# KiCad board demo_matrix2.kicad_pcb (continued)
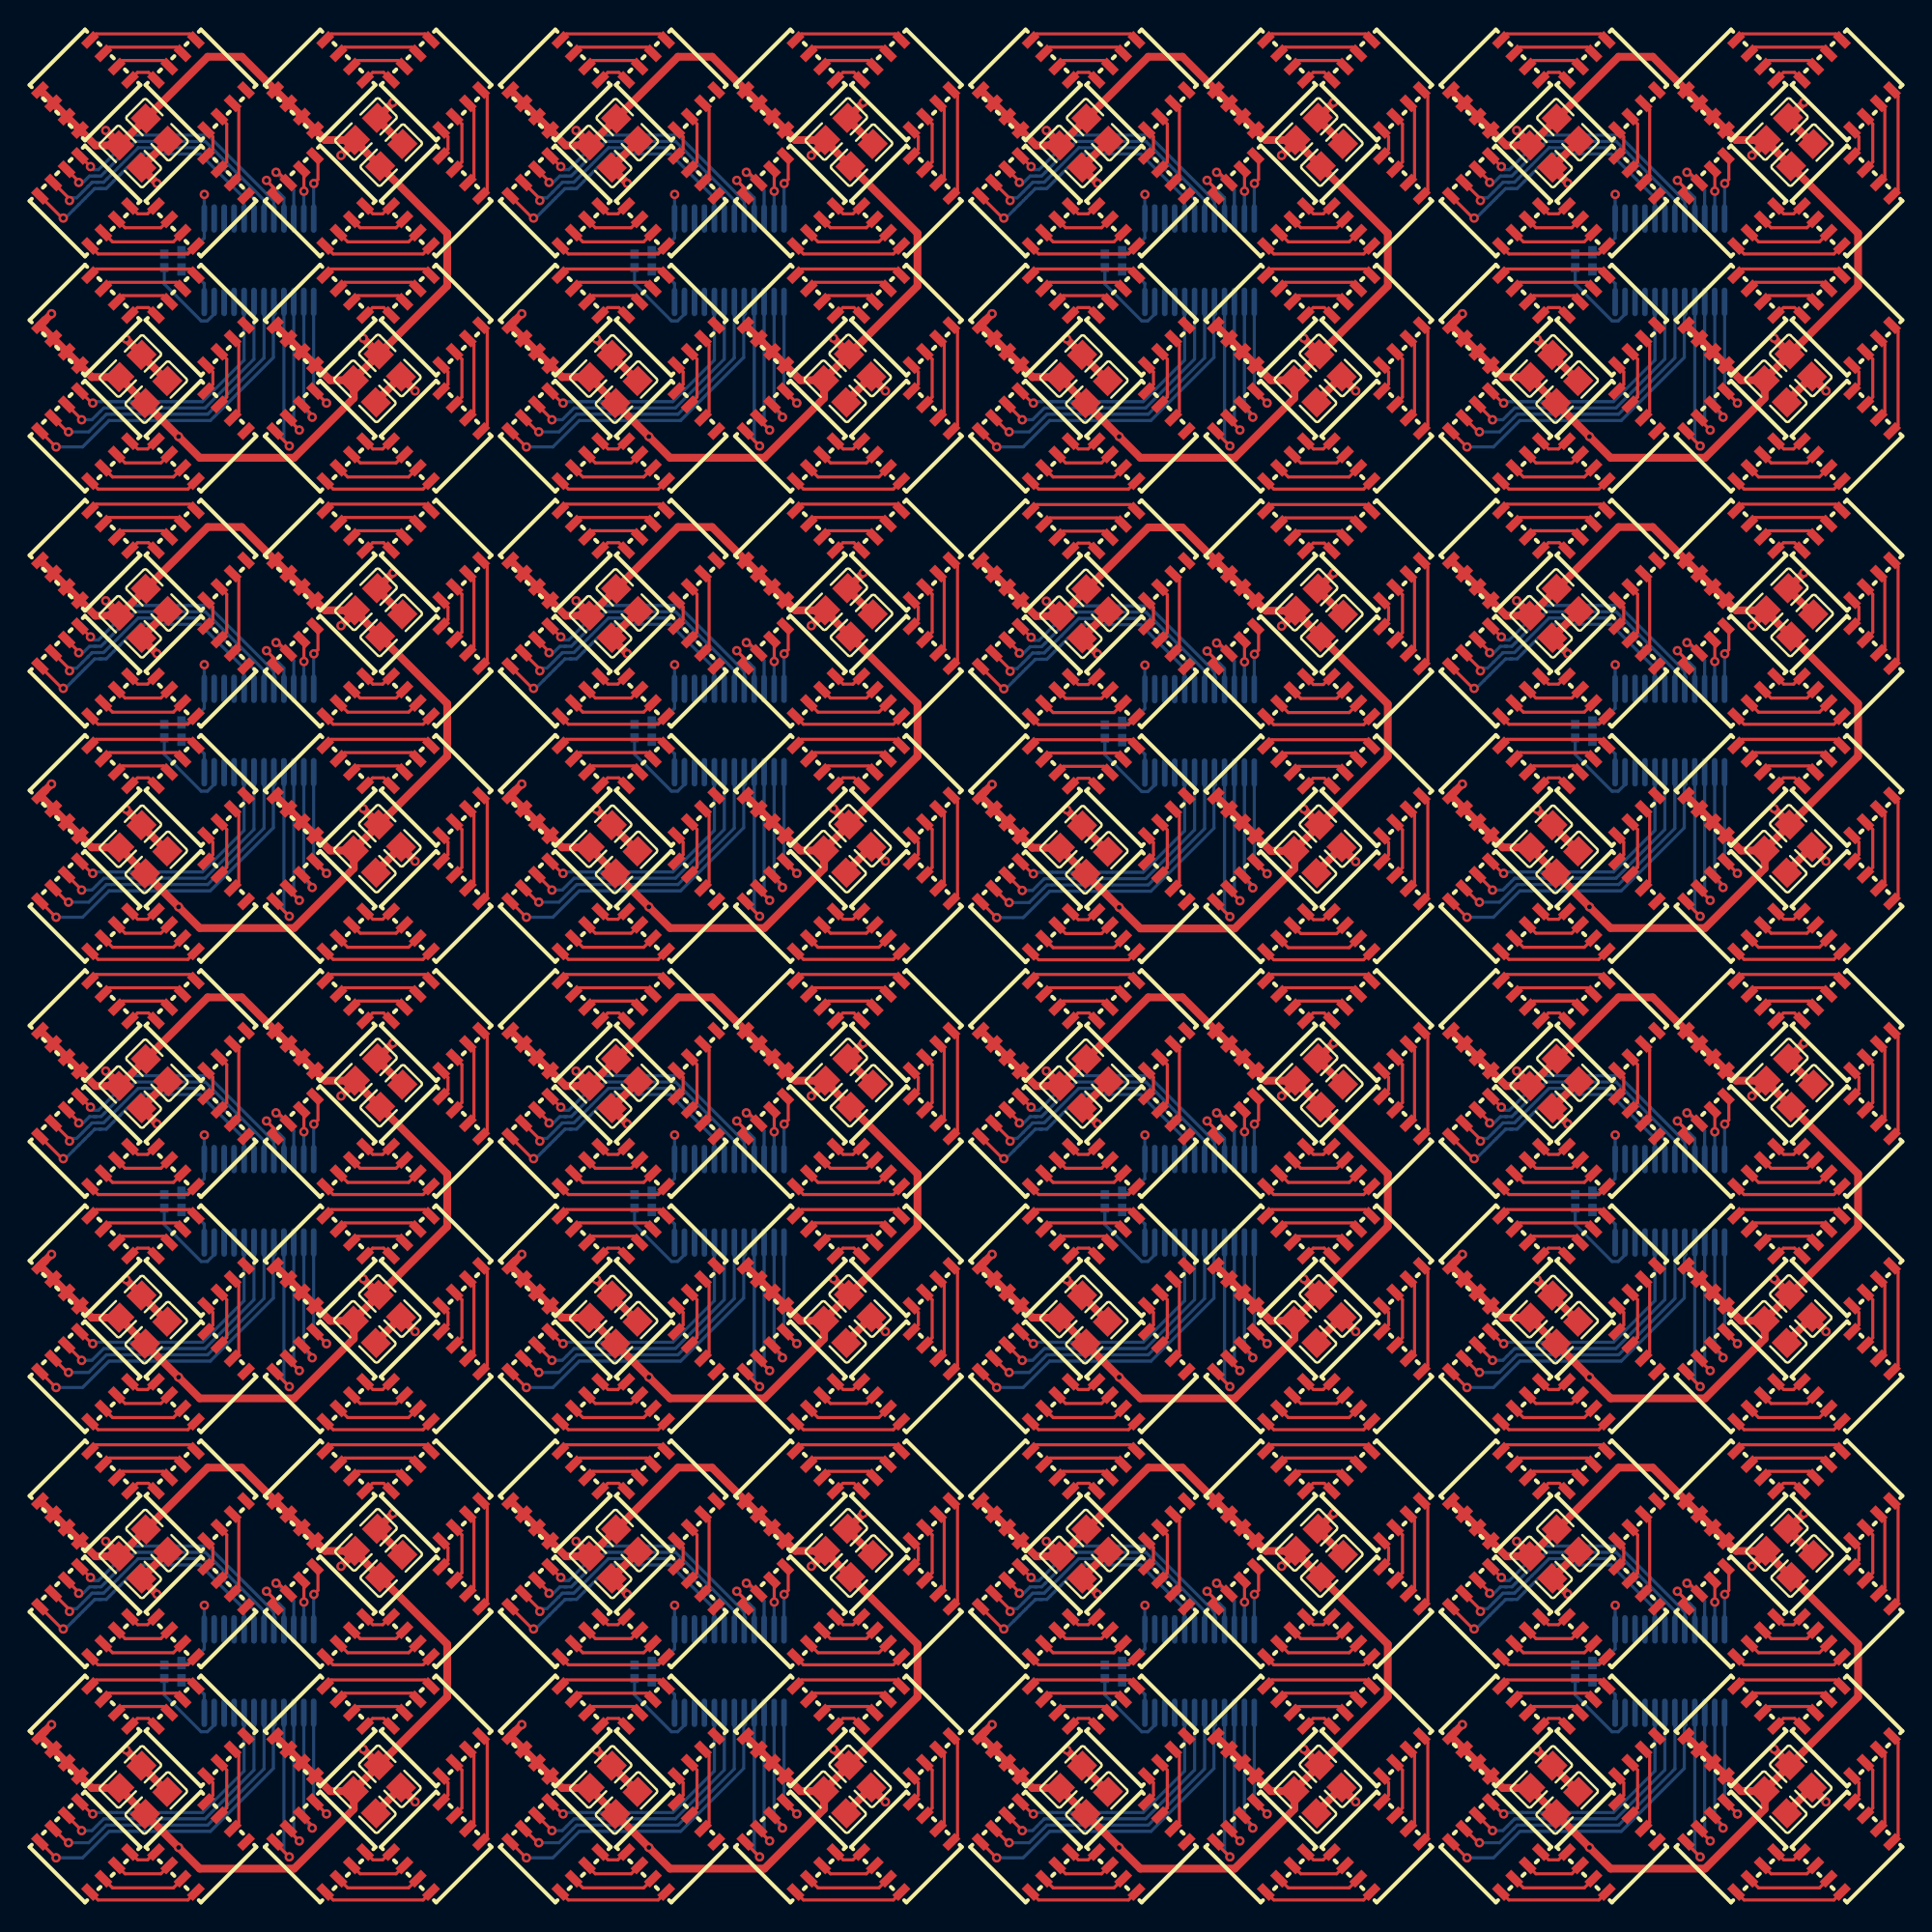
[diagram p0: board, top side]
## Library data of the parts (continued)
U73 = -: checksum: abbb50a3236ad87f16b2eecc7cef22eaaafbaa4cd6fa429ffccee13826e3e06a; __atopile_lib_fp_hash__: 0e3c0a5e-8fd8-28f9-ced6-aad2b12f2041; atopile_address: clusters[14].rows[0].pixels[1].generic_pixel; atopile_subaddresses: [elec/layout/cluster2x2/cluster2x2.kicad_pcb:rows[0].pixels[1].generic_pixel, elec/layout/pixel15hl5050/pixel15hl5050.kicad_pcb:generic_pixel, elec/layout/row2/row2.kicad_pcb:pixels[1].generic_pixel]
U74 = -: checksum: abbb50a3236ad87f16b2eecc7cef22eaaafbaa4cd6fa429ffccee13826e3e06a; __atopile_lib_fp_hash__: 0e3c0a5e-8fd8-28f9-ced6-aad2b12f2041; atopile_address: clusters[14].rows[1].pixels[0].generic_pixel; atopile_subaddresses: [elec/layout/cluster2x2/cluster2x2.kicad_pcb:rows[1].pixels[0].generic_pixel, elec/layout/pixel15hl5050/pixel15hl5050.kicad_pcb:generic_pixel, elec/layout/row2/row2.kicad_pcb:pixels[0].generic_pixel]
U75 = -: checksum: abbb50a3236ad87f16b2eecc7cef22eaaafbaa4cd6fa429ffccee13826e3e06a; __atopile_lib_fp_hash__: 0e3c0a5e-8fd8-28f9-ced6-aad2b12f2041; atopile_address: clusters[14].rows[1].pixels[1].generic_pixel; atopile_subaddresses: [elec/layout/cluster2x2/cluster2x2.kicad_pcb:rows[1].pixels[1].generic_pixel, elec/layout/pixel15hl5050/pixel15hl5050.kicad_pcb:generic_pixel, elec/layout/row2/row2.kicad_pcb:pixels[1].generic_pixel]
U76 = -: Datasheet: https://lcsc.com/datasheet/lcsc_datasheet_1811151431_MBI-MBI5043GP-A_C110098.pdf; checksum: 5792f8483db8260f8c71da5608b862a12d506544ca95340a0a29b8e31339a3e3; __atopile_lib_fp_hash__: 9d096105-9cd5-0eb0-49a9-8c108e51ce37; LCSC: C110098; Manufacturer: MBI; Partnumber: MBI5043GP-A; atopile_address: clusters[15].driver.package; atopile_subaddresses: [elec/layout/cluster2x2/cluster2x2.kicad_pcb:driver.package, elec/src/macroblock-mbi5043/layouts/default/default.kicad_pcb:package]
U77 = -: checksum: abbb50a3236ad87f16b2eecc7cef22eaaafbaa4cd6fa429ffccee13826e3e06a; __atopile_lib_fp_hash__: 0e3c0a5e-8fd8-28f9-ced6-aad2b12f2041; atopile_address: clusters[15].rows[0].pixels[0].generic_pixel; atopile_subaddresses: [elec/layout/cluster2x2/cluster2x2.kicad_pcb:rows[0].pixels[0].generic_pixel, elec/layout/pixel15hl5050/pixel15hl5050.kicad_pcb:generic_pixel, elec/layout/row2/row2.kicad_pcb:pixels[0].generic_pixel]
U78 = -: checksum: abbb50a3236ad87f16b2eecc7cef22eaaafbaa4cd6fa429ffccee13826e3e06a; __atopile_lib_fp_hash__: 0e3c0a5e-8fd8-28f9-ced6-aad2b12f2041; atopile_address: clusters[15].rows[0].pixels[1].generic_pixel; atopile_subaddresses: [elec/layout/cluster2x2/cluster2x2.kicad_pcb:rows[0].pixels[1].generic_pixel, elec/layout/pixel15hl5050/pixel15hl5050.kicad_pcb:generic_pixel, elec/layout/row2/row2.kicad_pcb:pixels[1].generic_pixel]
U79 = -: checksum: abbb50a3236ad87f16b2eecc7cef22eaaafbaa4cd6fa429ffccee13826e3e06a; __atopile_lib_fp_hash__: 0e3c0a5e-8fd8-28f9-ced6-aad2b12f2041; atopile_address: clusters[15].rows[1].pixels[0].generic_pixel; atopile_subaddresses: [elec/layout/cluster2x2/cluster2x2.kicad_pcb:rows[1].pixels[0].generic_pixel, elec/layout/pixel15hl5050/pixel15hl5050.kicad_pcb:generic_pixel, elec/layout/row2/row2.kicad_pcb:pixels[0].generic_pixel]
U80 = -: checksum: abbb50a3236ad87f16b2eecc7cef22eaaafbaa4cd6fa429ffccee13826e3e06a; __atopile_lib_fp_hash__: 0e3c0a5e-8fd8-28f9-ced6-aad2b12f2041; atopile_address: clusters[15].rows[1].pixels[1].generic_pixel; atopile_subaddresses: [elec/layout/cluster2x2/cluster2x2.kicad_pcb:rows[1].pixels[1].generic_pixel, elec/layout/pixel15hl5050/pixel15hl5050.kicad_pcb:generic_pixel, elec/layout/row2/row2.kicad_pcb:pixels[1].generic_pixel]

## Footprints (pads in the part's own frame, mm; a bottom-side part is the same pattern mirrored in y, then rotated)
C0402
  rect 0.79x0.54 smd: 1(-0.55,0) 2(0.55,0)
C0805
  rect 1.41x1.35 smd: 1(-1,0) 2(1,0)
LED-SMD_8P-L5.0-W5.0-P1.20_HL-5050RGBW-S1-A27
  rect 1.1x0.54 smd: 1(2.26,1.8) 2(-2.26,1.8) 3(2.26,0.6) 4(-2.26,0.6) 5(2.26,-0.6) 6(-2.26,-0.6) 7(2.26,-1.8) 8(-2.26,-1.8)
R0402
  rect 0.57x0.54 smd: 1(-0.43,0) 2(0.43,0)
SSOP-24_L8.8-W4.0-P0.64-LS6.2-BL
  oval 0.36x1.82 smd: 1(-3.49,-2.66) 2(-2.86,-2.66) 3(-2.22,-2.66) 4(-1.59,-2.66) 5(-0.95,-2.66) 6(-0.32,-2.66) 7(0.32,-2.66) 8(0.95,-2.66) 9(1.59,-2.66) 10(2.22,-2.66) 11(2.86,-2.66) 12(3.49,-2.66) 13(3.49,2.66) 14(2.86,2.66) 15(2.22,2.66) 16(1.59,2.66) 17(0.95,2.66) 18(0.32,2.66) 19(-0.32,2.66) 20(-0.95,2.66) 21(-1.59,2.66) 22(-2.22,2.66) 23(-2.86,2.66) 24(-3.49,2.66)

## Nets
clusters[0]-REXT: R1.1 U1.23
clusters[1]-REXT: R2.1 U6.23
clusters[2]-REXT: R3.1 U11.23
clusters[3]-REXT: R4.1 U16.23
clusters[4]-REXT: R5.1 U21.23
clusters[5]-REXT: R6.1 U26.23
clusters[6]-REXT: R7.1 U31.23
clusters[7]-REXT: R8.1 U36.23
clusters[8]-REXT: R9.1 U41.23
clusters[9]-REXT: R10.1 U46.23
clusters[10]-REXT: R11.1 U51.23
clusters[11]-REXT: R12.1 U56.23
clusters[12]-REXT: R13.1 U61.23
clusters[13]-REXT: R14.1 U66.23
clusters[14]-REXT: R15.1 U71.23
clusters[15]-REXT: R16.1 U76.23
decoupling_capacitors[7]-power_shim-GND-0: C1.2 C2.2 C3.2 C4.2 C5.2 C6.2 C7.2 C8.2
decoupling_capacitors[7]-power_shim-GND-1: C91.2 C92.2 C93.2 C94.2 C95.2 C96.2 C97.2 C98.2
decoupling_capacitors[7]-power_shim-GND-2: C100.2 C101.2 C102.2 C103.2 C104.2 C105.2 C106.2 C107.2
decoupling_capacitors[7]-power_shim-GND-3: C109.2 C110.2 C111.2 C112.2 C113.2 C114.2 C115.2 C116.2
decoupling_capacitors[7]-power_shim-GND-4: C118.2 C119.2 C120.2 C121.2 C122.2 C123.2 C124.2 C125.2
decoupling_capacitors[7]-power_shim-GND-5: C127.2 C128.2 C129.2 C130.2 C131.2 C132.2 C133.2 C134.2
decoupling_capacitors[7]-power_shim-GND-6: C136.2 C137.2 C138.2 C139.2 C140.2 C141.2 C142.2 C143.2
decoupling_capacitors[7]-power_shim-GND-7: C10.2 C11.2 C12.2 C13.2 C14.2 C15.2 C16.2 C17.2
decoupling_capacitors[7]-power_shim-GND-8: C19.2 C20.2 C21.2 C22.2 C23.2 C24.2 C25.2 C26.2
decoupling_capacitors[7]-power_shim-GND-9: C28.2 C29.2 C30.2 C31.2 C32.2 C33.2 C34.2 C35.2
decoupling_capacitors[7]-power_shim-GND-10: C37.2 C38.2 C39.2 C40.2 C41.2 C42.2 C43.2 C44.2
decoupling_capacitors[7]-power_shim-GND-11: C46.2 C47.2 C48.2 C49.2 C50.2 C51.2 C52.2 C53.2
decoupling_capacitors[7]-power_shim-GND-12: C55.2 C56.2 C57.2 C58.2 C59.2 C60.2 C61.2 C62.2
decoupling_capacitors[7]-power_shim-GND-13: C64.2 C65.2 C66.2 C67.2 C68.2 C69.2 C70.2 C71.2
decoupling_capacitors[7]-power_shim-GND-14: C73.2 C74.2 C75.2 C76.2 C77.2 C78.2 C79.2 C80.2
decoupling_capacitors[7]-power_shim-GND-15: C82.2 C83.2 C84.2 C85.2 C86.2 C87.2 C88.2 C89.2
decoupling_capacitors[7]-power_shim-VCC-0: C1.1 C2.1 C3.1 C4.1 C5.1 C6.1 C7.1 C8.1 LED1.2 LED1.4 LED1.6 LED1.8 LED5.2 LED5.4 LED5.6 LED5.8 LED9.2 LED9.4 LED9.6 LED9.8 LED13.2 LED13.4 LED13.6 LED13.8
decoupling_capacitors[7]-power_shim-VCC-1: C91.1 C92.1 C93.1 C94.1 C95.1 C96.1 C97.1 C98.1 LED161.2 LED161.4 LED161.6 LED161.8 LED165.2 LED165.4 LED165.6 LED165.8 LED169.2 LED169.4 LED169.6 LED169.8 LED173.2 LED173.4 LED173.6 LED173.8
decoupling_capacitors[7]-power_shim-VCC-2: C100.1 C101.1 C102.1 C103.1 C104.1 C105.1 C106.1 C107.1 LED177.2 LED177.4 LED177.6 LED177.8 LED181.2 LED181.4 LED181.6 LED181.8 LED185.2 LED185.4 LED185.6 LED185.8 LED189.2 LED189.4 LED189.6 LED189.8
decoupling_capacitors[7]-power_shim-VCC-3: C109.1 C110.1 C111.1 C112.1 C113.1 C114.1 C115.1 C116.1 LED193.2 LED193.4 LED193.6 LED193.8 LED197.2 LED197.4 LED197.6 LED197.8 LED201.2 LED201.4 LED201.6 LED201.8 LED205.2 LED205.4 LED205.6 LED205.8
decoupling_capacitors[7]-power_shim-VCC-4: C118.1 C119.1 C120.1 C121.1 C122.1 C123.1 C124.1 C125.1 LED209.2 LED209.4 LED209.6 LED209.8 LED213.2 LED213.4 LED213.6 LED213.8 LED217.2 LED217.4 LED217.6 LED217.8 LED221.2 LED221.4 LED221.6 LED221.8
decoupling_capacitors[7]-power_shim-VCC-5: C127.1 C128.1 C129.1 C130.1 C131.1 C132.1 C133.1 C134.1 LED225.2 LED225.4 LED225.6 LED225.8 LED229.2 LED229.4 LED229.6 LED229.8 LED233.2 LED233.4 LED233.6 LED233.8 LED237.2 LED237.4 LED237.6 LED237.8
decoupling_capacitors[7]-power_shim-VCC-6: C136.1 C137.1 C138.1 C139.1 C140.1 C141.1 C142.1 C143.1 LED241.2 LED241.4 LED241.6 LED241.8 LED245.2 LED245.4 LED245.6 LED245.8 LED249.2 LED249.4 LED249.6 LED249.8 LED253.2 LED253.4 LED253.6 LED253.8
decoupling_capacitors[7]-power_shim-VCC-7: C10.1 C11.1 C12.1 C13.1 C14.1 C15.1 C16.1 C17.1 LED17.2 LED17.4 LED17.6 LED17.8 LED21.2 LED21.4 LED21.6 LED21.8 LED25.2 LED25.4 LED25.6 LED25.8 LED29.2 LED29.4 LED29.6 LED29.8
decoupling_capacitors[7]-power_shim-VCC-8: C19.1 C20.1 C21.1 C22.1 C23.1 C24.1 C25.1 C26.1 LED33.2 LED33.4 LED33.6 LED33.8 LED37.2 LED37.4 LED37.6 LED37.8 LED41.2 LED41.4 LED41.6 LED41.8 LED45.2 LED45.4 LED45.6 LED45.8
decoupling_capacitors[7]-power_shim-VCC-9: C28.1 C29.1 C30.1 C31.1 C32.1 C33.1 C34.1 C35.1 LED49.2 LED49.4 LED49.6 LED49.8 LED53.2 LED53.4 LED53.6 LED53.8 LED57.2 LED57.4 LED57.6 LED57.8 LED61.2 LED61.4 LED61.6 LED61.8
decoupling_capacitors[7]-power_shim-VCC-10: C37.1 C38.1 C39.1 C40.1 C41.1 C42.1 C43.1 C44.1 LED65.2 LED65.4 LED65.6 LED65.8 LED69.2 LED69.4 LED69.6 LED69.8 LED73.2 LED73.4 LED73.6 LED73.8 LED77.2 LED77.4 LED77.6 LED77.8
decoupling_capacitors[7]-power_shim-VCC-11: C46.1 C47.1 C48.1 C49.1 C50.1 C51.1 C52.1 C53.1 LED81.2 LED81.4 LED81.6 LED81.8 LED85.2 LED85.4 LED85.6 LED85.8 LED89.2 LED89.4 LED89.6 LED89.8 LED93.2 LED93.4 LED93.6 LED93.8
decoupling_capacitors[7]-power_shim-VCC-12: C55.1 C56.1 C57.1 C58.1 C59.1 C60.1 C61.1 C62.1 LED97.2 LED97.4 LED97.6 LED97.8 LED101.2 LED101.4 LED101.6 LED101.8 LED105.2 LED105.4 LED105.6 LED105.8 LED109.2 LED109.4 LED109.6 LED109.8
decoupling_capacitors[7]-power_shim-VCC-13: C64.1 C65.1 C66.1 C67.1 C68.1 C69.1 C70.1 C71.1 LED113.2 LED113.4 LED113.6 LED113.8 LED117.2 LED117.4 LED117.6 LED117.8 LED121.2 LED121.4 LED121.6 LED121.8 LED125.2 LED125.4 LED125.6 LED125.8
decoupling_capacitors[7]-power_shim-VCC-14: C73.1 C74.1 C75.1 C76.1 C77.1 C78.1 C79.1 C80.1 LED129.2 LED129.4 LED129.6 LED129.8 LED133.2 LED133.4 LED133.6 LED133.8 LED137.2 LED137.4 LED137.6 LED137.8 LED141.2 LED141.4 LED141.6 LED141.8
decoupling_capacitors[7]-power_shim-VCC-15: C82.1 C83.1 C84.1 C85.1 C86.1 C87.1 C88.1 C89.1 LED145.2 LED145.4 LED145.6 LED145.8 LED149.2 LED149.4 LED149.6 LED149.8 LED153.2 LED153.4 LED153.6 LED153.8 LED157.2 LED157.4 LED157.6 LED157.8
driver-dclk-DCLK-0: U1.3
driver-dclk-DCLK-1: U51.3
driver-dclk-DCLK-2: U56.3
driver-dclk-DCLK-3: U61.3
driver-dclk-DCLK-4: U66.3
driver-dclk-DCLK-5: U71.3
driver-dclk-DCLK-6: U76.3
driver-dclk-DCLK-7: U6.3
driver-dclk-DCLK-8: U11.3
driver-dclk-DCLK-9: U16.3
driver-dclk-DCLK-10: U21.3
driver-dclk-DCLK-11: U26.3
driver-dclk-DCLK-12: U31.3
driver-dclk-DCLK-13: U36.3
driver-dclk-DCLK-14: U41.3
driver-dclk-DCLK-15: U46.3
driver-gclk-GCLK-0: U1.21
driver-gclk-GCLK-1: U51.21
driver-gclk-GCLK-2: U56.21
driver-gclk-GCLK-3: U61.21
driver-gclk-GCLK-4: U66.21
driver-gclk-GCLK-5: U71.21
driver-gclk-GCLK-6: U76.21
driver-gclk-GCLK-7: U6.21
driver-gclk-GCLK-8: U11.21
driver-gclk-GCLK-9: U16.21
driver-gclk-GCLK-10: U21.21
driver-gclk-GCLK-11: U26.21
driver-gclk-GCLK-12: U31.21
driver-gclk-GCLK-13: U36.21
driver-gclk-GCLK-14: U41.21
driver-gclk-GCLK-15: U46.21
driver-le-LE-0: U1.4
driver-le-LE-1: U51.4
driver-le-LE-2: U56.4
driver-le-LE-3: U61.4
driver-le-LE-4: U66.4
driver-le-LE-5: U71.4
driver-le-LE-6: U76.4
driver-le-LE-7: U6.4
driver-le-LE-8: U11.4
driver-le-LE-9: U16.4
driver-le-LE-10: U21.4
driver-le-LE-11: U26.4
driver-le-LE-12: U31.4
driver-le-LE-13: U36.4
driver-le-LE-14: U41.4
driver-le-LE-15: U46.4
driver-power-GND-0: C9.2 R1.2 U1.1
driver-power-GND-1: C99.2 R11.2 U51.1
driver-power-GND-2: C108.2 R12.2 U56.1
driver-power-GND-3: C117.2 R13.2 U61.1
driver-power-GND-4: C126.2 R14.2 U66.1
driver-power-GND-5: C135.2 R15.2 U71.1
driver-power-GND-6: C144.2 R16.2 U76.1
driver-power-GND-7: C18.2 R2.2 U6.1
driver-power-GND-8: C27.2 R3.2 U11.1
driver-power-GND-9: C36.2 R4.2 U16.1
driver-power-GND-10: C45.2 R5.2 U21.1
driver-power-GND-11: C54.2 R6.2 U26.1
driver-power-GND-12: C63.2 R7.2 U31.1
driver-power-GND-13: C72.2 R8.2 U36.1
driver-power-GND-14: C81.2 R9.2 U41.1
driver-power-GND-15: C90.2 R10.2 U46.1
driver-power-VCC-0: C9.1 U1.24
driver-power-VCC-1: C99.1 U51.24
driver-power-VCC-2: C108.1 U56.24
driver-power-VCC-3: C117.1 U61.24
driver-power-VCC-4: C126.1 U66.24
driver-power-VCC-5: C135.1 U71.24
driver-power-VCC-6: C144.1 U76.24
driver-power-VCC-7: C18.1 U6.24
driver-power-VCC-8: C27.1 U11.24
driver-power-VCC-9: C36.1 U16.24
driver-power-VCC-10: C45.1 U21.24
driver-power-VCC-11: C54.1 U26.24
driver-power-VCC-12: C63.1 U31.24
driver-power-VCC-13: C72.1 U36.24
driver-power-VCC-14: C81.1 U41.24
driver-power-VCC-15: C90.1 U46.24
driver-sdi-SDI-0: U1.2
driver-sdi-SDI-1: U51.2
driver-sdi-SDI-2: U56.2
driver-sdi-SDI-3: U61.2
driver-sdi-SDI-4: U66.2
driver-sdi-SDI-5: U71.2
driver-sdi-SDI-6: U76.2
driver-sdi-SDI-7: U6.2
driver-sdi-SDI-8: U11.2
driver-sdi-SDI-9: U16.2
driver-sdi-SDI-10: U21.2
driver-sdi-SDI-11: U26.2
driver-sdi-SDI-12: U31.2
driver-sdi-SDI-13: U36.2
driver-sdi-SDI-14: U41.2
driver-sdi-SDI-15: U46.2
driver-sdo-SDO-0: U1.22
driver-sdo-SDO-1: U51.22
driver-sdo-SDO-2: U56.22
driver-sdo-SDO-3: U61.22
driver-sdo-SDO-4: U66.22
driver-sdo-SDO-5: U71.22
driver-sdo-SDO-6: U76.22
driver-sdo-SDO-7: U6.22
driver-sdo-SDO-8: U11.22
driver-sdo-SDO-9: U16.22
driver-sdo-SDO-10: U21.22
driver-sdo-SDO-11: U26.22
driver-sdo-SDO-12: U31.22
driver-sdo-SDO-13: U36.22
driver-sdo-SDO-14: U41.22
driver-sdo-SDO-15: U46.22
rgbs[1]-anodes-anode-0: LED1.3 LED2.4
rgbs[1]-anodes-anode-1: LED1.1 LED2.2
rgbs[1]-anodes-anode-2: LED1.5 LED2.6
rgbs[1]-anodes-anode-3: LED1.7 LED2.8
rgbs[1]-anodes-anode-4: LED5.3 LED6.4
rgbs[1]-anodes-anode-5: LED5.1 LED6.2
rgbs[1]-anodes-anode-6: LED5.5 LED6.6
rgbs[1]-anodes-anode-7: LED5.7 LED6.8
rgbs[1]-anodes-anode-8: LED9.3 LED10.4
rgbs[1]-anodes-anode-9: LED9.1 LED10.2
rgbs[1]-anodes-anode-10: LED9.5 LED10.6
rgbs[1]-anodes-anode-11: LED9.7 LED10.8
rgbs[1]-anodes-anode-12: LED13.3 LED14.4
rgbs[1]-anodes-anode-13: LED13.1 LED14.2
rgbs[1]-anodes-anode-14: LED13.5 LED14.6
rgbs[1]-anodes-anode-15: LED13.7 LED14.8
rgbs[1]-anodes-anode-16: LED161.3 LED162.4
rgbs[1]-anodes-anode-17: LED161.1 LED162.2
rgbs[1]-anodes-anode-18: LED161.5 LED162.6
rgbs[1]-anodes-anode-19: LED161.7 LED162.8
rgbs[1]-anodes-anode-20: LED165.3 LED166.4
rgbs[1]-anodes-anode-21: LED165.1 LED166.2
rgbs[1]-anodes-anode-22: LED165.5 LED166.6
rgbs[1]-anodes-anode-23: LED165.7 LED166.8
rgbs[1]-anodes-anode-24: LED169.3 LED170.4
rgbs[1]-anodes-anode-25: LED169.1 LED170.2
rgbs[1]-anodes-anode-26: LED169.5 LED170.6
rgbs[1]-anodes-anode-27: LED169.7 LED170.8
rgbs[1]-anodes-anode-28: LED173.3 LED174.4
rgbs[1]-anodes-anode-29: LED173.1 LED174.2
rgbs[1]-anodes-anode-30: LED173.5 LED174.6
rgbs[1]-anodes-anode-31: LED173.7 LED174.8
rgbs[1]-anodes-anode-32: LED177.3 LED178.4
rgbs[1]-anodes-anode-33: LED177.1 LED178.2
rgbs[1]-anodes-anode-34: LED177.5 LED178.6
rgbs[1]-anodes-anode-35: LED177.7 LED178.8
rgbs[1]-anodes-anode-36: LED181.3 LED182.4
rgbs[1]-anodes-anode-37: LED181.1 LED182.2
rgbs[1]-anodes-anode-38: LED181.5 LED182.6
rgbs[1]-anodes-anode-39: LED181.7 LED182.8
rgbs[1]-anodes-anode-40: LED185.3 LED186.4
rgbs[1]-anodes-anode-41: LED185.1 LED186.2
rgbs[1]-anodes-anode-42: LED185.5 LED186.6
rgbs[1]-anodes-anode-43: LED185.7 LED186.8
rgbs[1]-anodes-anode-44: LED189.3 LED190.4
rgbs[1]-anodes-anode-45: LED189.1 LED190.2
rgbs[1]-anodes-anode-46: LED189.5 LED190.6
rgbs[1]-anodes-anode-47: LED189.7 LED190.8
rgbs[1]-anodes-anode-48: LED193.3 LED194.4
rgbs[1]-anodes-anode-49: LED193.1 LED194.2
rgbs[1]-anodes-anode-50: LED193.5 LED194.6
rgbs[1]-anodes-anode-51: LED193.7 LED194.8
rgbs[1]-anodes-anode-52: LED197.3 LED198.4
rgbs[1]-anodes-anode-53: LED197.1 LED198.2
rgbs[1]-anodes-anode-54: LED197.5 LED198.6
rgbs[1]-anodes-anode-55: LED197.7 LED198.8
rgbs[1]-anodes-anode-56: LED201.3 LED202.4
rgbs[1]-anodes-anode-57: LED201.1 LED202.2
rgbs[1]-anodes-anode-58: LED201.5 LED202.6
rgbs[1]-anodes-anode-59: LED201.7 LED202.8
rgbs[1]-anodes-anode-60: LED205.3 LED206.4
rgbs[1]-anodes-anode-61: LED205.1 LED206.2
rgbs[1]-anodes-anode-62: LED205.5 LED206.6
rgbs[1]-anodes-anode-63: LED205.7 LED206.8
rgbs[1]-anodes-anode-64: LED209.3 LED210.4
rgbs[1]-anodes-anode-65: LED209.1 LED210.2
rgbs[1]-anodes-anode-66: LED209.5 LED210.6
rgbs[1]-anodes-anode-67: LED209.7 LED210.8
rgbs[1]-anodes-anode-68: LED213.3 LED214.4
rgbs[1]-anodes-anode-69: LED213.1 LED214.2
rgbs[1]-anodes-anode-70: LED213.5 LED214.6
rgbs[1]-anodes-anode-71: LED213.7 LED214.8
rgbs[1]-anodes-anode-72: LED217.3 LED218.4
rgbs[1]-anodes-anode-73: LED217.1 LED218.2
rgbs[1]-anodes-anode-74: LED217.5 LED218.6
rgbs[1]-anodes-anode-75: LED217.7 LED218.8
rgbs[1]-anodes-anode-76: LED221.3 LED222.4
rgbs[1]-anodes-anode-77: LED221.1 LED222.2
rgbs[1]-anodes-anode-78: LED221.5 LED222.6
rgbs[1]-anodes-anode-79: LED221.7 LED222.8
rgbs[1]-anodes-anode-80: LED225.3 LED226.4
rgbs[1]-anodes-anode-81: LED225.1 LED226.2
rgbs[1]-anodes-anode-82: LED225.5 LED226.6
rgbs[1]-anodes-anode-83: LED225.7 LED226.8
rgbs[1]-anodes-anode-84: LED229.3 LED230.4
rgbs[1]-anodes-anode-85: LED229.1 LED230.2
rgbs[1]-anodes-anode-86: LED229.5 LED230.6
rgbs[1]-anodes-anode-87: LED229.7 LED230.8
rgbs[1]-anodes-anode-88: LED233.3 LED234.4
rgbs[1]-anodes-anode-89: LED233.1 LED234.2
rgbs[1]-anodes-anode-90: LED233.5 LED234.6
rgbs[1]-anodes-anode-91: LED233.7 LED234.8
rgbs[1]-anodes-anode-92: LED237.3 LED238.4
rgbs[1]-anodes-anode-93: LED237.1 LED238.2
rgbs[1]-anodes-anode-94: LED237.5 LED238.6
rgbs[1]-anodes-anode-95: LED237.7 LED238.8
rgbs[1]-anodes-anode-96: LED241.3 LED242.4
rgbs[1]-anodes-anode-97: LED241.1 LED242.2
rgbs[1]-anodes-anode-98: LED241.5 LED242.6
rgbs[1]-anodes-anode-99: LED241.7 LED242.8
rgbs[1]-anodes-anode-100: LED245.3 LED246.4
rgbs[1]-anodes-anode-101: LED245.1 LED246.2
rgbs[1]-anodes-anode-102: LED245.5 LED246.6
rgbs[1]-anodes-anode-103: LED245.7 LED246.8
rgbs[1]-anodes-anode-104: LED249.3 LED250.4
rgbs[1]-anodes-anode-105: LED249.1 LED250.2
rgbs[1]-anodes-anode-106: LED249.5 LED250.6
rgbs[1]-anodes-anode-107: LED249.7 LED250.8
rgbs[1]-anodes-anode-108: LED253.3 LED254.4
rgbs[1]-anodes-anode-109: LED253.1 LED254.2
rgbs[1]-anodes-anode-110: LED253.5 LED254.6
rgbs[1]-anodes-anode-111: LED253.7 LED254.8
rgbs[1]-anodes-anode-112: LED17.3 LED18.4
rgbs[1]-anodes-anode-113: LED17.1 LED18.2
rgbs[1]-anodes-anode-114: LED17.5 LED18.6
rgbs[1]-anodes-anode-115: LED17.7 LED18.8
rgbs[1]-anodes-anode-116: LED21.3 LED22.4
rgbs[1]-anodes-anode-117: LED21.1 LED22.2
rgbs[1]-anodes-anode-118: LED21.5 LED22.6
rgbs[1]-anodes-anode-119: LED21.7 LED22.8
rgbs[1]-anodes-anode-120: LED25.3 LED26.4
rgbs[1]-anodes-anode-121: LED25.1 LED26.2
rgbs[1]-anodes-anode-122: LED25.5 LED26.6
rgbs[1]-anodes-anode-123: LED25.7 LED26.8
rgbs[1]-anodes-anode-124: LED29.3 LED30.4
rgbs[1]-anodes-anode-125: LED29.1 LED30.2
rgbs[1]-anodes-anode-126: LED29.5 LED30.6
rgbs[1]-anodes-anode-127: LED29.7 LED30.8
rgbs[1]-anodes-anode-128: LED33.3 LED34.4
rgbs[1]-anodes-anode-129: LED33.1 LED34.2
rgbs[1]-anodes-anode-130: LED33.5 LED34.6
rgbs[1]-anodes-anode-131: LED33.7 LED34.8
rgbs[1]-anodes-anode-132: LED37.3 LED38.4
rgbs[1]-anodes-anode-133: LED37.1 LED38.2
rgbs[1]-anodes-anode-134: LED37.5 LED38.6
rgbs[1]-anodes-anode-135: LED37.7 LED38.8
rgbs[1]-anodes-anode-136: LED41.3 LED42.4
rgbs[1]-anodes-anode-137: LED41.1 LED42.2
rgbs[1]-anodes-anode-138: LED41.5 LED42.6
rgbs[1]-anodes-anode-139: LED41.7 LED42.8
rgbs[1]-anodes-anode-140: LED45.3 LED46.4
rgbs[1]-anodes-anode-141: LED45.1 LED46.2
rgbs[1]-anodes-anode-142: LED45.5 LED46.6
rgbs[1]-anodes-anode-143: LED45.7 LED46.8
rgbs[1]-anodes-anode-144: LED49.3 LED50.4
rgbs[1]-anodes-anode-145: LED49.1 LED50.2
rgbs[1]-anodes-anode-146: LED49.5 LED50.6
rgbs[1]-anodes-anode-147: LED49.7 LED50.8
rgbs[1]-anodes-anode-148: LED53.3 LED54.4
rgbs[1]-anodes-anode-149: LED53.1 LED54.2
rgbs[1]-anodes-anode-150: LED53.5 LED54.6
rgbs[1]-anodes-anode-151: LED53.7 LED54.8
rgbs[1]-anodes-anode-152: LED57.3 LED58.4
rgbs[1]-anodes-anode-153: LED57.1 LED58.2
rgbs[1]-anodes-anode-154: LED57.5 LED58.6
rgbs[1]-anodes-anode-155: LED57.7 LED58.8
rgbs[1]-anodes-anode-156: LED61.3 LED62.4
rgbs[1]-anodes-anode-157: LED61.1 LED62.2
rgbs[1]-anodes-anode-158: LED61.5 LED62.6
rgbs[1]-anodes-anode-159: LED61.7 LED62.8
rgbs[1]-anodes-anode-160: LED65.3 LED66.4
rgbs[1]-anodes-anode-161: LED65.1 LED66.2
rgbs[1]-anodes-anode-162: LED65.5 LED66.6
rgbs[1]-anodes-anode-163: LED65.7 LED66.8
rgbs[1]-anodes-anode-164: LED69.3 LED70.4
rgbs[1]-anodes-anode-165: LED69.1 LED70.2
rgbs[1]-anodes-anode-166: LED69.5 LED70.6
rgbs[1]-anodes-anode-167: LED69.7 LED70.8
rgbs[1]-anodes-anode-168: LED73.3 LED74.4
rgbs[1]-anodes-anode-169: LED73.1 LED74.2
rgbs[1]-anodes-anode-170: LED73.5 LED74.6
rgbs[1]-anodes-anode-171: LED73.7 LED74.8
rgbs[1]-anodes-anode-172: LED77.3 LED78.4
rgbs[1]-anodes-anode-173: LED77.1 LED78.2
rgbs[1]-anodes-anode-174: LED77.5 LED78.6
rgbs[1]-anodes-anode-175: LED77.7 LED78.8
rgbs[1]-anodes-anode-176: LED81.3 LED82.4
rgbs[1]-anodes-anode-177: LED81.1 LED82.2
rgbs[1]-anodes-anode-178: LED81.5 LED82.6
rgbs[1]-anodes-anode-179: LED81.7 LED82.8
rgbs[1]-anodes-anode-180: LED85.3 LED86.4
rgbs[1]-anodes-anode-181: LED85.1 LED86.2
rgbs[1]-anodes-anode-182: LED85.5 LED86.6
rgbs[1]-anodes-anode-183: LED85.7 LED86.8
rgbs[1]-anodes-anode-184: LED89.3 LED90.4
rgbs[1]-anodes-anode-185: LED89.1 LED90.2
rgbs[1]-anodes-anode-186: LED89.5 LED90.6
rgbs[1]-anodes-anode-187: LED89.7 LED90.8
rgbs[1]-anodes-anode-188: LED93.3 LED94.4
rgbs[1]-anodes-anode-189: LED93.1 LED94.2
rgbs[1]-anodes-anode-190: LED93.5 LED94.6
rgbs[1]-anodes-anode-191: LED93.7 LED94.8
rgbs[1]-anodes-anode-192: LED97.3 LED98.4
rgbs[1]-anodes-anode-193: LED97.1 LED98.2
rgbs[1]-anodes-anode-194: LED97.5 LED98.6
rgbs[1]-anodes-anode-195: LED97.7 LED98.8
rgbs[1]-anodes-anode-196: LED101.3 LED102.4
rgbs[1]-anodes-anode-197: LED101.1 LED102.2
rgbs[1]-anodes-anode-198: LED101.5 LED102.6
rgbs[1]-anodes-anode-199: LED101.7 LED102.8
rgbs[1]-anodes-anode-200: LED105.3 LED106.4
rgbs[1]-anodes-anode-201: LED105.1 LED106.2
rgbs[1]-anodes-anode-202: LED105.5 LED106.6
rgbs[1]-anodes-anode-203: LED105.7 LED106.8
rgbs[1]-anodes-anode-204: LED109.3 LED110.4
rgbs[1]-anodes-anode-205: LED109.1 LED110.2
rgbs[1]-anodes-anode-206: LED109.5 LED110.6
rgbs[1]-anodes-anode-207: LED109.7 LED110.8
rgbs[1]-anodes-anode-208: LED113.3 LED114.4
rgbs[1]-anodes-anode-209: LED113.1 LED114.2
rgbs[1]-anodes-anode-210: LED113.5 LED114.6
rgbs[1]-anodes-anode-211: LED113.7 LED114.8
rgbs[1]-anodes-anode-212: LED117.3 LED118.4
rgbs[1]-anodes-anode-213: LED117.1 LED118.2
rgbs[1]-anodes-anode-214: LED117.5 LED118.6
rgbs[1]-anodes-anode-215: LED117.7 LED118.8
rgbs[1]-anodes-anode-216: LED121.3 LED122.4
rgbs[1]-anodes-anode-217: LED121.1 LED122.2
rgbs[1]-anodes-anode-218: LED121.5 LED122.6
rgbs[1]-anodes-anode-219: LED121.7 LED122.8
rgbs[1]-anodes-anode-220: LED125.3 LED126.4
rgbs[1]-anodes-anode-221: LED125.1 LED126.2
rgbs[1]-anodes-anode-222: LED125.5 LED126.6
rgbs[1]-anodes-anode-223: LED125.7 LED126.8
rgbs[1]-anodes-anode-224: LED129.3 LED130.4
rgbs[1]-anodes-anode-225: LED129.1 LED130.2
rgbs[1]-anodes-anode-226: LED129.5 LED130.6
rgbs[1]-anodes-anode-227: LED129.7 LED130.8
rgbs[1]-anodes-anode-228: LED133.3 LED134.4
rgbs[1]-anodes-anode-229: LED133.1 LED134.2
rgbs[1]-anodes-anode-230: LED133.5 LED134.6
rgbs[1]-anodes-anode-231: LED133.7 LED134.8
rgbs[1]-anodes-anode-232: LED137.3 LED138.4
rgbs[1]-anodes-anode-233: LED137.1 LED138.2
rgbs[1]-anodes-anode-234: LED137.5 LED138.6
rgbs[1]-anodes-anode-235: LED137.7 LED138.8
rgbs[1]-anodes-anode-236: LED141.3 LED142.4
rgbs[1]-anodes-anode-237: LED141.1 LED142.2
rgbs[1]-anodes-anode-238: LED141.5 LED142.6
rgbs[1]-anodes-anode-239: LED141.7 LED142.8
rgbs[1]-anodes-anode-240: LED145.3 LED146.4
rgbs[1]-anodes-anode-241: LED145.1 LED146.2
rgbs[1]-anodes-anode-242: LED145.5 LED146.6
rgbs[1]-anodes-anode-243: LED145.7 LED146.8
rgbs[1]-anodes-anode-244: LED149.3 LED150.4
rgbs[1]-anodes-anode-245: LED149.1 LED150.2
rgbs[1]-anodes-anode-246: LED149.5 LED150.6
rgbs[1]-anodes-anode-247: LED149.7 LED150.8
rgbs[1]-anodes-anode-248: LED153.3 LED154.4
rgbs[1]-anodes-anode-249: LED153.1 LED154.2
rgbs[1]-anodes-anode-250: LED153.5 LED154.6
rgbs[1]-anodes-anode-251: LED153.7 LED154.8
rgbs[1]-anodes-anode-252: LED157.3 LED158.4
rgbs[1]-anodes-anode-253: LED157.1 LED158.2
rgbs[1]-anodes-anode-254: LED157.5 LED158.6
rgbs[1]-anodes-anode-255: LED157.7 LED158.8
rgbs[2]-anodes-anode-0: LED2.3 LED3.4
rgbs[2]-anodes-anode-1: LED2.1 LED3.2
rgbs[2]-anodes-anode-2: LED2.5 LED3.6
rgbs[2]-anodes-anode-3: LED2.7 LED3.8
rgbs[2]-anodes-anode-4: LED6.3 LED7.4
rgbs[2]-anodes-anode-5: LED6.1 LED7.2
rgbs[2]-anodes-anode-6: LED6.5 LED7.6
rgbs[2]-anodes-anode-7: LED6.7 LED7.8
rgbs[2]-anodes-anode-8: LED10.3 LED11.4
rgbs[2]-anodes-anode-9: LED10.1 LED11.2
rgbs[2]-anodes-anode-10: LED10.5 LED11.6
rgbs[2]-anodes-anode-11: LED10.7 LED11.8
rgbs[2]-anodes-anode-12: LED14.3 LED15.4
rgbs[2]-anodes-anode-13: LED14.1 LED15.2
rgbs[2]-anodes-anode-14: LED14.5 LED15.6
rgbs[2]-anodes-anode-15: LED14.7 LED15.8
rgbs[2]-anodes-anode-16: LED162.3 LED163.4
rgbs[2]-anodes-anode-17: LED162.1 LED163.2
rgbs[2]-anodes-anode-18: LED162.5 LED163.6
rgbs[2]-anodes-anode-19: LED162.7 LED163.8